# KiCad board OpenMowerMainboard.kicad_pcb
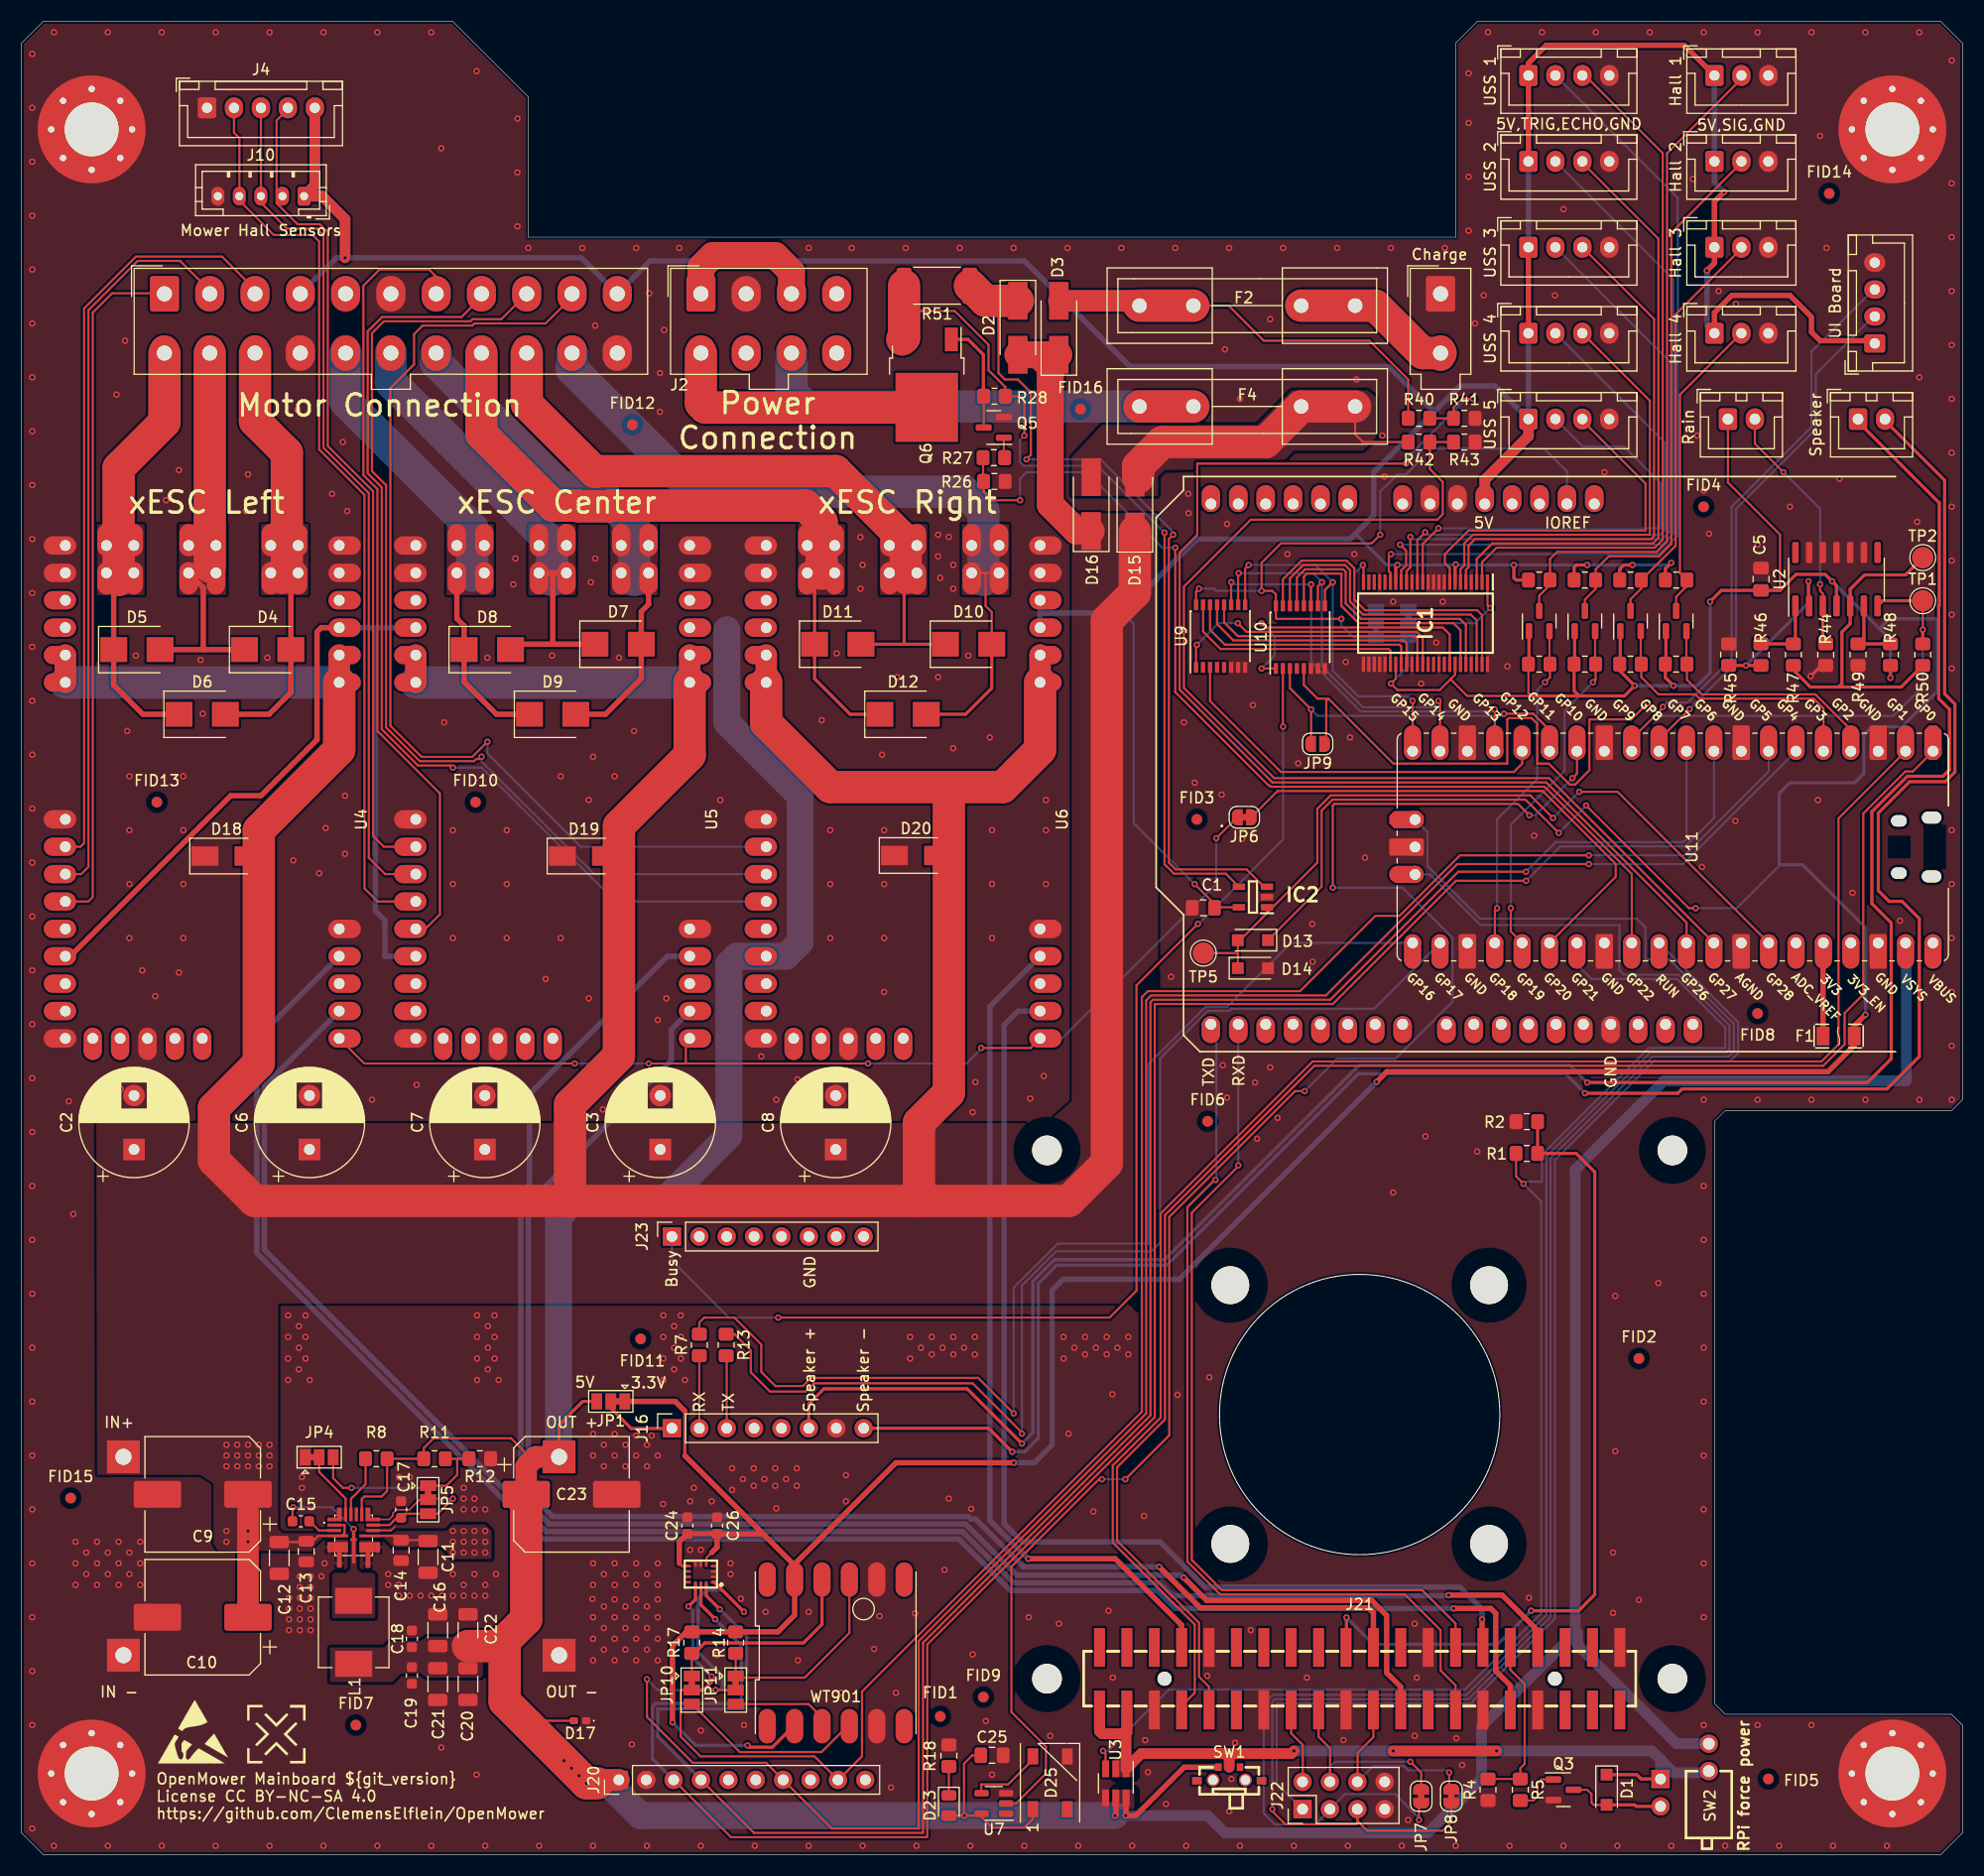
[diagram p0: board, top side]
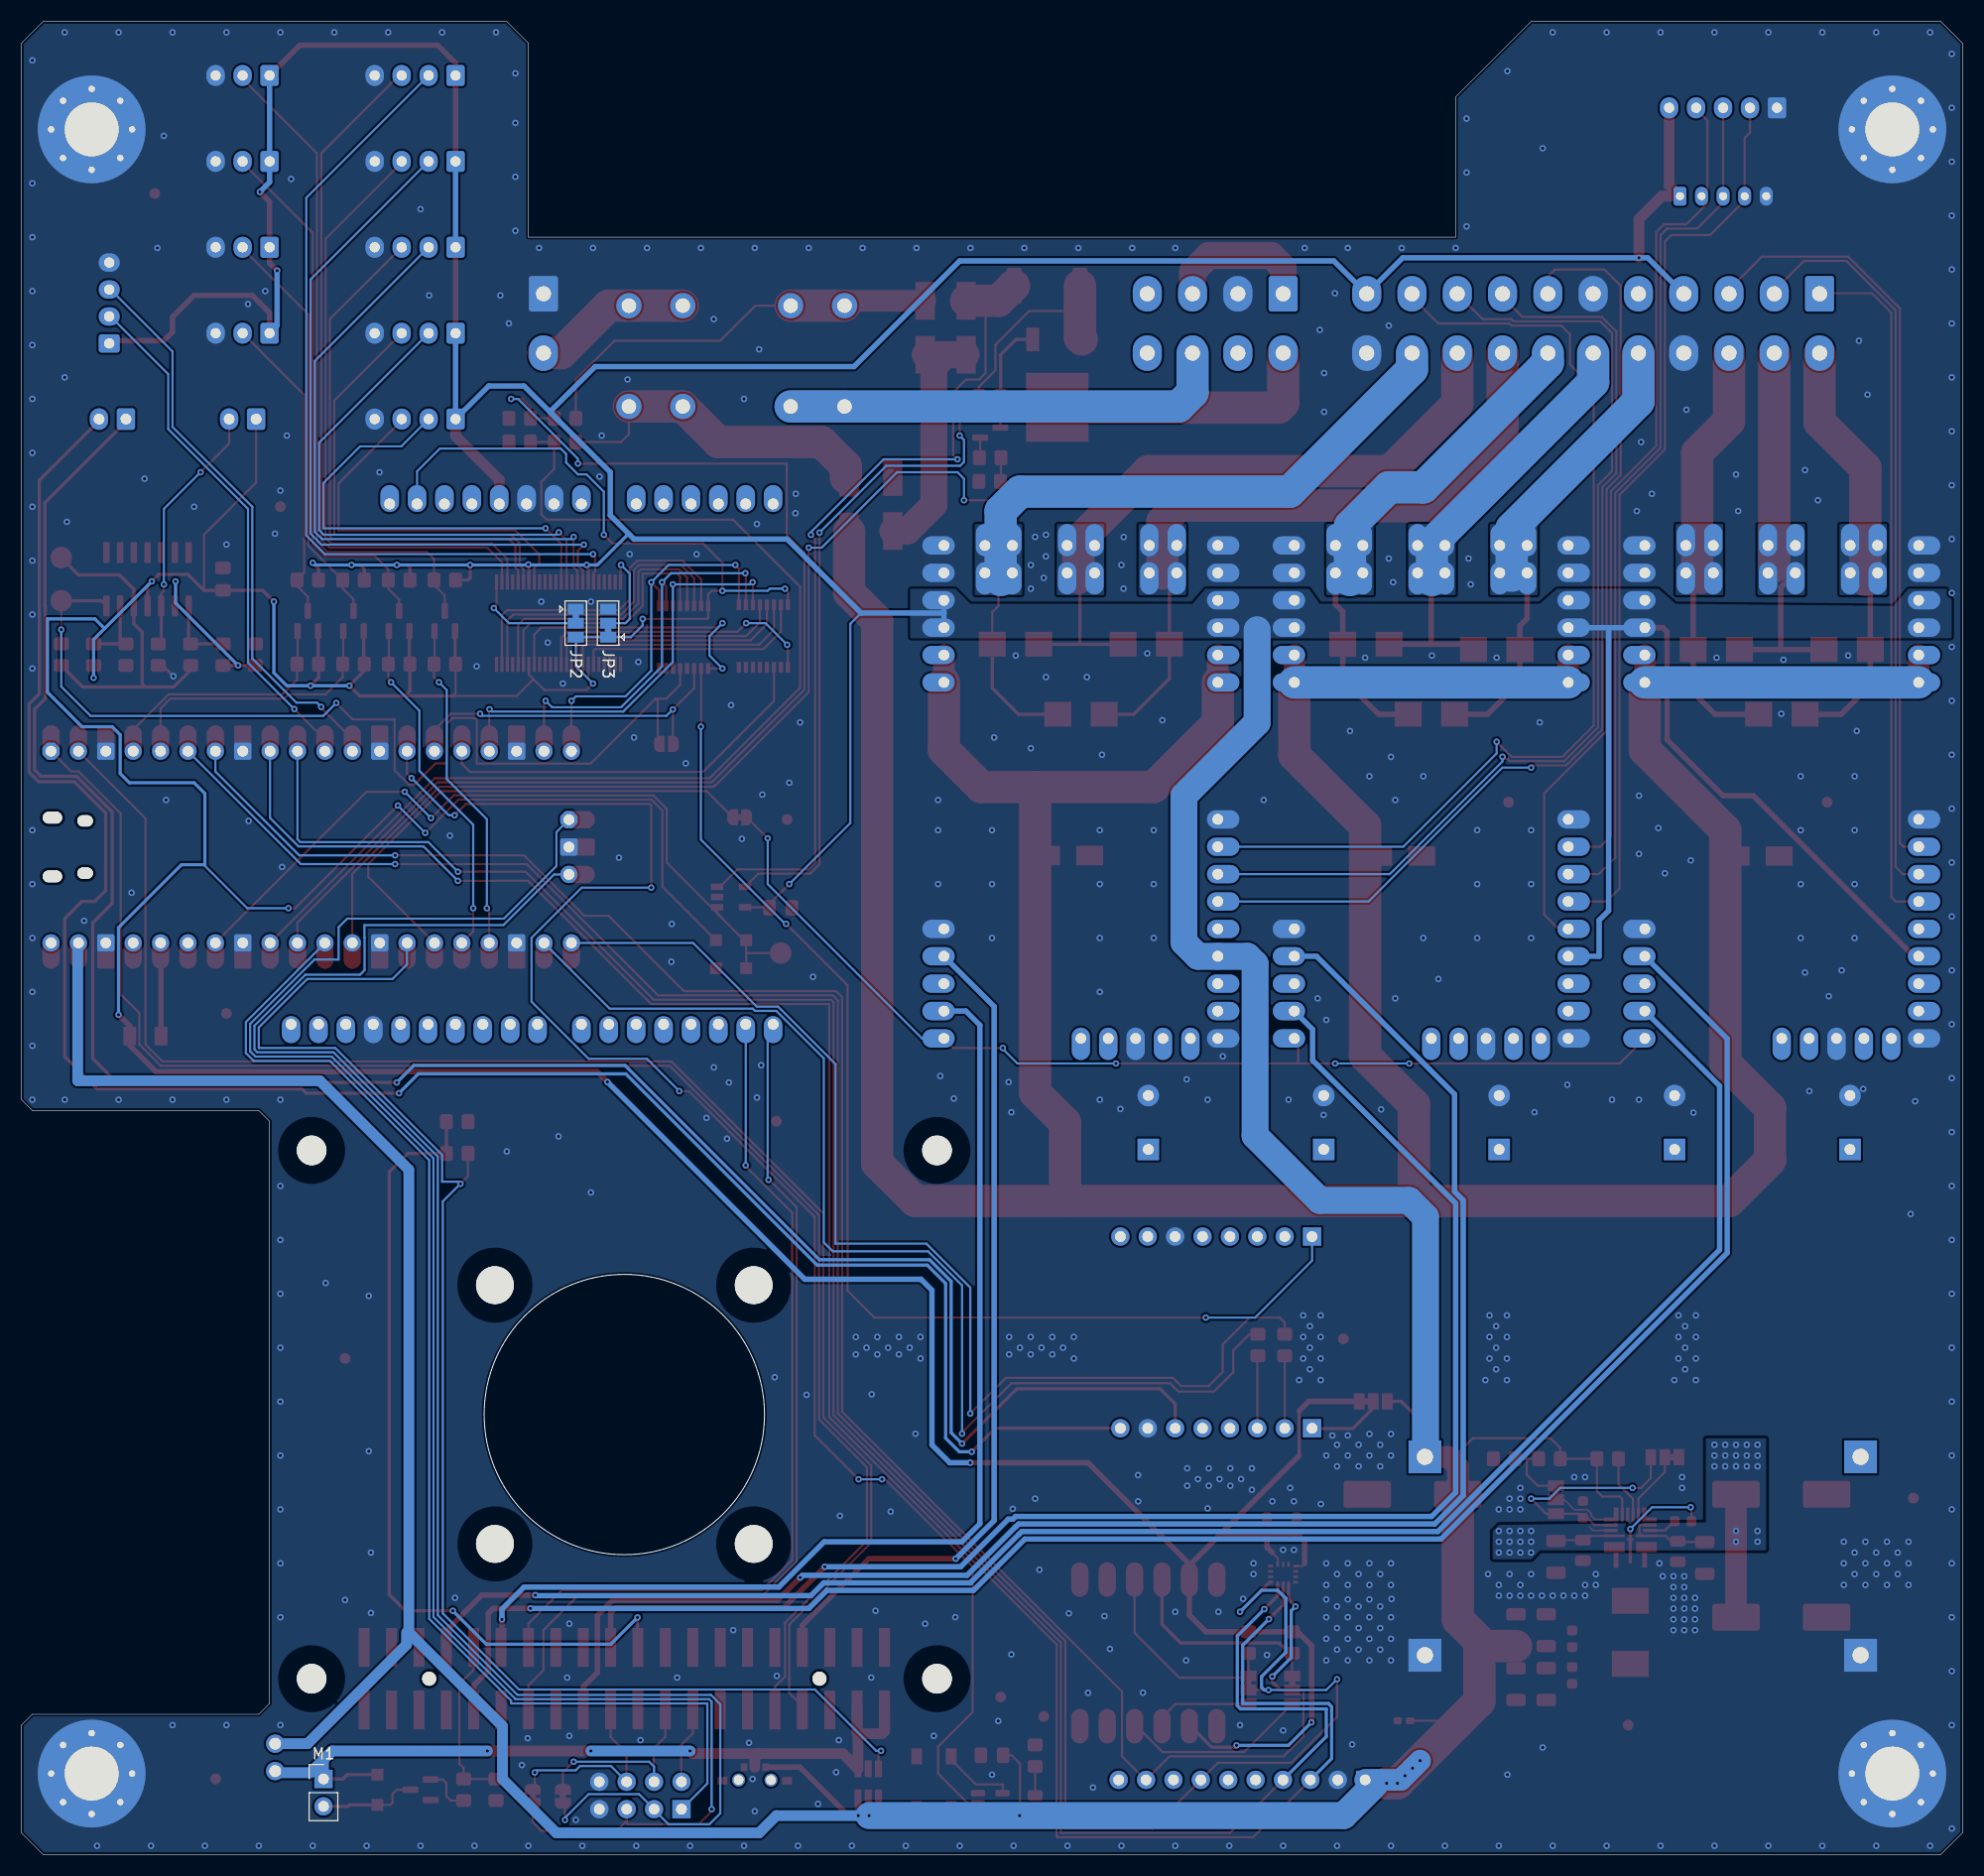
[diagram p1: board, bottom side, seen from below]

Outline 180 x 170 mm; copper layers: Top, Bottom. Coordinates in mm from the lower left corner of the outline.
Outline path: circle c124.1,40.8 r13 ; 0,168 2,170 40,170 47,163 47,150 133,150 133,168 135,170 178,170 180,168 180,70 179,69 158,69 157,68 157,14 158,13 179,13 180,12 180,2 178,0 2,0 0,2 0,168
Stack: Top 0.035mm / dielectric 1.51mm FR4 er 4.5 / Bottom 0.035mm

## Placement (name value [footprint] x y rotation side)
AC1201  LSM6DSOTR  [LGA-14_2.5X3X0.86_]  63 26 180 top
C1  100nF  [C_0805_2012Metric_Pad1.18x1.45mm_HandSolder]  109.6 87.8 180 top
C2  220uF  [CP_Radial_D10.0mm_P5.00mm]  10.43 65.39 90 top
C3  220uF  [CP_Radial_D10.0mm_P5.00mm]  59.24 65.39 90 top
C5  100nF  [C_0805_2012Metric_Pad1.18x1.45mm_HandSolder]  161.32 118.28 270 top
C6  220uF  [CP_Radial_D10.0mm_P5.00mm]  26.7 65.39 90 top
C7  220uF  [CP_Radial_D10.0mm_P5.00mm]  42.97 65.39 90 top
C8  220uF  [CP_Radial_D10.0mm_P5.00mm]  75.5 65.39 90 top
C9  680uF  [CP_Elec_10x12.5]  16.8 33.4 180 top
C10  DNP  [CP_Elec_10x12.5]  16.8 22 180 top
C11  4.7uF  [C_1206_3216Metric]  37.7 27.6 270 top
C12  4.7uF  [C_1206_3216Metric]  23.9 27.5 270 top
C13  1uF  [C_0805_2012Metric]  26.4 28.1 270 top
C14  1uF  [C_0805_2012Metric]  35.2 28.2 270 top
C15  0.1uF  [C_0603_1608Metric]  25.9 30.9 180 top
C16  22uF  [C_1206_3216Metric]  38.6 20.8 90 top
C17  2.2uF  [C_0603_1608Metric]  35.2 32 90 top
C18  0.1uF  [C_0603_1608Metric]  36.2 20 90 top
C19  0.1uF  [C_0603_1608Metric]  36.2 16.6 270 top
C20  22uF  [C_1206_3216Metric]  41.4 15.8 270 top
C21  22uF  [C_1206_3216Metric]  38.6 15.8 270 top
C22  22uF  [C_1206_3216Metric]  41.4 20.8 90 top
C23  680uF  [CP_Elec_10x12.5]  51 33.4 0 top
C24  0.1uF  [C_0603_1608Metric]  61.75 30.5 90 top
C25  100nF  [C_0805_2012Metric_Pad1.18x1.45mm_HandSolder]  90 9.2 0 top
C26  0.1uF  [C_0603_1608Metric]  64.5 30.5 90 top
D1  D_Schottky  [D_SOD-123F]  147 6 270 top
D2  D_Schottky  [D_SMA_Handsoldering]  92.4 141.6 270 top
D3  D_Schottky  [D_SMA_Handsoldering]  96.2 141.6 90 top
D4  DNP  [D_SMB]  22.83 111.75 0 top
D5  DNP  [D_SMB]  10.7 111.75 0 top
D6  DNP  [D_SMB]  16.75 105.75 0 top
D7  DNP  [D_SMB]  55.33 112.25 0 top
D8  DNP  [D_SMB]  43.2 111.75 0 top
D9  DNP  [D_SMB]  49.25 105.75 0 top
D10  DNP  [D_SMB]  87.83 112.25 0 top
D11  DNP  [D_SMB]  75.69 112.25 0 top
D12  DNP  [D_SMB]  81.75 105.75 0 top
D13  DNP  [D_SOD-123F]  114.2 84.8 180 top
D14  DNP  [D_SOD-123F]  114.2 82.2 0 top
D15  D_Schottky  [D_SMA_Handsoldering]  103.25 125.2 90 top
D16  D_Schottky  [D_SMA_Handsoldering]  99.2 125.25 90 top
D17  DNP  [D_0402_1005Metric_Pad0.77x0.64mm_HandSolder]  51.8 12.4 180 top
D18  DNP  [D_SMA]  19 92.6 0 top
D19  DNP  [D_SMA]  52.15 92.6 0 top
D20  DNP  [D_SMA]  82.95 92.65 0 top
D23  LED  [LED_0805_2012Metric]  86 4.54 270 top
D25  WS2812B  [LED_WS2812B_PLCC4_5.0x5.0mm_P3.2mm]  95.39 6.65 90 top
F1  nSMD035-16V  [F1206]  168.52 75.9 0 top
F2  Fuse  [Fuseholder5x20_horiz_open_inline_Type-I]  103.67 143.65 0 top
F4  Fuse  [Fuseholder5x20_horiz_open_inline_Type-I]  103.67 134.3 0 top
FID1  Fiducial  [Fiducial_1mm_Mask2mm]  85.2 12.8 0 top
FID2  Fiducial  [Fiducial_1mm_Mask2mm]  150 46 0 top
FID3  Fiducial  [Fiducial_1mm_Mask2mm]  109 96 0 top
FID4  Fiducial  [Fiducial_1mm_Mask2mm]  156 125 0 top
FID5  Fiducial  [Fiducial_1mm_Mask2mm]  162 7 0 top
FID6  Fiducial  [Fiducial_1mm_Mask2mm]  110 68 0 top
FID7  Fiducial  [Fiducial_1mm_Mask2mm]  31 12 0 top
FID8  Fiducial  [Fiducial_1mm_Mask2mm]  161 78 180 top
FID9  Fiducial  [Fiducial_1mm_Mask2mm]  89.2 14.6 0 top
FID10  Fiducial  [Fiducial_1mm_Mask2mm]  42.1 97.6 0 top
FID11  Fiducial  [Fiducial_1mm_Mask2mm]  57.41 47.82 0 top
FID12  Fiducial  [Fiducial_1mm_Mask2mm]  56.65 132.6 0 top
FID13  Fiducial  [Fiducial_1mm_Mask2mm]  12.55 97.6 0 top
FID14  Fiducial  [Fiducial_1mm_Mask2mm]  167.65 154.05 0 top
FID15  Fiducial  [Fiducial_1mm_Mask2mm]  4.55 33.05 0 top
FID16  Fiducial  [Fiducial_1mm_Mask2mm]  98.2 134.05 0 top
H1  MountingHole_Pad  [MountingHole_5mm_Pad_Via]  6.5 160 0 top
H2  MountingHole_Pad  [MountingHole_5mm_Pad_Via]  6.5 7.5 0 top
H3  MountingHole_Pad  [MountingHole_5mm_Pad_Via]  173.5 160 0 top
H4  MountingHole_Pad  [MountingHole_5mm_Pad_Via]  173.5 7.5 0 top
IC1  74ALVC164245DGG,11  [SOP50P810X120-48N]  130.2 114.2 270 top
IC2  TSC101CILT  [SOT95P280X145-5N]  114.2 88.8 180 top
IC3  MAX20405AFOF_VY+T  [MAX2040]  30.8 29.6 0 top
J1  Conn_02x11_Top_Bottom  [Molex_Mini-Fit_Jr_5566-22A_2x11_P4.20mm_Vertical]  13.25 144.75 0 top
J2  Conn_02x04_Top_Bottom  [Molex_Mini-Fit_Jr_5566-08A_2x04_P4.20mm_Vertical]  63 144.75 0 top
J3  Conn_01x02  [Molex_Mini-Fit_Jr_5566-02A_2x01_P4.20mm_Vertical]  131.6 144.75 0 top
J4  Conn_01x05  [JST_XH_B5B-XH-A_1x05_P2.50mm_Vertical]  17.2 162 0 top
J5  Conn_01x04  [JST_XH_B4B-XH-A_1x04_P2.50mm_Vertical]  139.75 165 0 top
J6  Conn_01x04  [JST_XH_B4B-XH-A_1x04_P2.50mm_Vertical]  139.75 157.03 0 top
J7  Conn_01x04  [JST_XH_B4B-XH-A_1x04_P2.50mm_Vertical]  139.75 149.06 0 top
J8  Conn_01x04  [JST_XH_B4B-XH-A_1x04_P2.50mm_Vertical]  139.75 141.1 0 top
J9  Conn_01x04  [JST_XH_B4B-XH-A_1x04_P2.50mm_Vertical]  139.75 133.13 0 top
J10  Conn_01x05  [JST_PH_B5B-PH-K_1x05_P2.00mm_Vertical]  26.2 153.81 180 top
J11  Conn_01x03_Male  [JST_XH_B3B-XH-A_1x03_P2.50mm_Vertical]  157 165 0 top
J12  Conn_01x03_Male  [JST_XH_B3B-XH-A_1x03_P2.50mm_Vertical]  157 157.03 0 top
J13  Conn_01x03_Male  [JST_XH_B3B-XH-A_1x03_P2.50mm_Vertical]  157 149.06 0 top
J14  Conn_01x03_Male  [JST_XH_B3B-XH-A_1x03_P2.50mm_Vertical]  157 141.1 0 top
J16  Conn_01x08  [PinSocket_1x08_P2.54mm_Vertical]  60.31 39.53 90 top
J17  Conn_01x02  [JST_XH_B2B-XH-A_1x02_P2.50mm_Vertical]  158.25 133.13 0 top
J18  Conn_01x02  [JST_XH_B2B-XH-A_1x02_P2.50mm_Vertical]  170.32 133.13 0 top
J19  Conn_01x04  [JST_XH_B4B-XH-A_1x04_P2.50mm_Vertical]  171.87 140.15 90 top
J20  Conn_01x10_Female  [PinHeader_1x10_P2.54mm_Vertical]  55.39 6.92 90 top
J21  Raspberry_Pi_2_3  [HDR-SMD_40P-P2.54-V-F-R2-C20-S8.8-EH]  124.1 16.3 0 top
J22  Conn_02x04_Odd_Even  [PinHeader_2x04_P2.54mm_Vertical]  118.8 4.2 90 top
J23  Conn_01x08  [PinSocket_1x08_P2.54mm_Vertical]  60.31 57.31 90 top
JP1  SolderJumper_3_Bridged12  [SolderJumper-3_P1.3mm_Bridged12_Pad1.0x1.5mm]  54.65 42.02 180 top
JP2  SolderJumper_3_Bridged12  [SolderJumper-3_P1.3mm_Bridged12_Pad1.0x1.5mm]  128.6 114.2 270 bottom
JP3  SolderJumper_3_Bridged12  [SolderJumper-3_P1.3mm_Bridged12_Pad1.0x1.5mm]  125.6 114.2 90 bottom
JP4  SolderJumper_3_Bridged12  [SolderJumper-3_P1.3mm_Bridged12_Pad1.0x1.5mm]  27.6 36.84 0 top
JP5  SolderJumper_3_Bridged12  [SolderJumper-3_P1.3mm_Bridged12_Pad1.0x1.5mm]  37.7 32.9 270 top
JP6  SolderJumper_2_Bridged  [SolderJumper-2_P1.3mm_Bridged_RoundedPad1.0x1.5mm]  113.4 96.2 180 top
JP7  SolderJumper_2_Bridged  [SolderJumper-2_P1.3mm_Bridged_RoundedPad1.0x1.5mm]  129.8 5.4 90 top
JP8  SolderJumper_2_Bridged  [SolderJumper-2_P1.3mm_Bridged_RoundedPad1.0x1.5mm]  132.6 5.4 90 top
JP9  SolderJumper_2_Open  [SolderJumper-2_P1.3mm_Open_RoundedPad1.0x1.5mm]  120.2 103 180 top
JP10  I2C_OR_TTL  [SolderJumper-3_P1.3mm_Bridged12_Pad1.0x1.5mm]  62.16 15.25 270 top
JP11  I2C_OR_TTL  [SolderJumper-3_P1.3mm_Bridged12_Pad1.0x1.5mm]  66.23 15.25 270 top
L1  4.7uH 5A  [L_Vishay_IHLP-2525]  30.8 20.6 270 top
LOGO1  LOGO  [ESD-Logo_6.6x6mm_SilkScreen]  23.6 11.1 180 top
LOGO2  -  [ESD-Logo_6.6x6mm_SilkScreen]  15.9 11.4 0 top
M1  Fan  [PinHeader_1x02_P2.54mm_Vertical]  152 7 180 bottom
MH1  -  [MountingHole_2.7mm_M2.5#2]  153.1 16.3 270 top
MH2  -  [MountingHole_2.7mm_M2.5#2]  95.1 16.3 270 top
MH3  -  [MountingHole_2.7mm_M2.5#2]  95.1 65.3 270 top
MH4  -  [MountingHole_2.7mm_M2.5#2]  153.1 65.3 270 top
MH5  -  [MountingHole_2.7mm_M2.5]  136.1 28.8 270 top
MH6  -  [MountingHole_2.7mm_M2.5]  112.1 28.8 270 top
MH7  -  [MountingHole_2.7mm_M2.5]  112.1 52.8 270 top
MH8  -  [MountingHole_2.7mm_M2.5]  136.1 52.8 270 top
Q3  BSS138  [SOT-23]  143 6 0 top
Q5  BSS138  [SOT-23]  90.16 132.35 180 top
Q6  Q_PMOS_GDS  [TO-252-2]  83.95 136.32 270 top
Q13  BSS138  [SOT-23]  140.75 114.4 90 top
Q14  BSS138  [SOT-23]  144.98 114.4 90 top
Q15  BSS138  [SOT-23]  149.22 114.4 90 top
Q16  BSS138  [SOT-23]  153.45 114.4 90 top
R1  10k  [R_0805_2012Metric_Pad1.20x1.40mm_HandSolder]  139.6 65.02 0 top
R2  10k  [R_0805_2012Metric_Pad1.20x1.40mm_HandSolder]  139.6 67.97 0 top
R3  1k  [R_0805_2012Metric_Pad1.20x1.40mm_HandSolder]  140.75 110.4 0 top
R4  10k  [R_0805_2012Metric_Pad1.20x1.40mm_HandSolder]  136 6 90 top
R5  150  [R_0805_2012Metric_Pad1.20x1.40mm_HandSolder]  139 6 270 top
R6  1k  [R_0805_2012Metric_Pad1.20x1.40mm_HandSolder]  140.75 118.2 0 top
R7  1k  [R_0805_2012Metric_Pad1.20x1.40mm_HandSolder]  62.85 47.25 90 top
R8  DNP  [R_0805_2012Metric_Pad1.20x1.40mm_HandSolder]  32.9 36.7 0 top
R9  1k  [R_0805_2012Metric_Pad1.20x1.40mm_HandSolder]  144.98 110.4 0 top
R10  1k  [R_0805_2012Metric_Pad1.20x1.40mm_HandSolder]  144.98 118.2 0 top
R11  53k6 1%  [R_0805_2012Metric_Pad1.20x1.40mm_HandSolder]  38.3 36.7 180 top
R12  10k  [R_0805_2012Metric_Pad1.20x1.40mm_HandSolder]  42.5 36.7 180 top
R13  1k  [R_0805_2012Metric_Pad1.20x1.40mm_HandSolder]  65.34 47.25 270 top
R14  4k7  [R_0805_2012Metric_Pad1.20x1.40mm_HandSolder]  66.22 19.65 90 top
R15  1k  [R_0805_2012Metric_Pad1.20x1.40mm_HandSolder]  149.22 110.4 0 top
R16  1k  [R_0805_2012Metric_Pad1.20x1.40mm_HandSolder]  149.22 118.2 0 top
R17  4k7  [R_0805_2012Metric_Pad1.20x1.40mm_HandSolder]  62.16 19.65 90 top
R18  1k  [R_0805_2012Metric_Pad1.20x1.40mm_HandSolder]  86 9.16 270 top
R19  1k  [R_0805_2012Metric_Pad1.20x1.40mm_HandSolder]  153.45 110.4 0 top
R20  1k  [R_0805_2012Metric_Pad1.20x1.40mm_HandSolder]  153.45 118.2 0 top
R26  10k  [R_0805_2012Metric_Pad1.20x1.40mm_HandSolder]  90.22 127.35 0 top
R27  150  [R_0805_2012Metric_Pad1.20x1.40mm_HandSolder]  90.17 129.55 0 top
R28  10k  [R_0805_2012Metric_Pad1.20x1.40mm_HandSolder]  90.23 135.25 180 top
R40  10k  [R_0805_2012Metric_Pad1.20x1.40mm_HandSolder]  129.6 133.2 180 top
R41  1k  [R_0805_2012Metric_Pad1.20x1.40mm_HandSolder]  133.8 133.2 180 top
R42  10k  [R_0805_2012Metric_Pad1.20x1.40mm_HandSolder]  129.6 131 180 top
R43  1k  [R_0805_2012Metric_Pad1.20x1.40mm_HandSolder]  133.8 131 180 top
R44  47k  [R_0805_2012Metric_Pad1.20x1.40mm_HandSolder]  167.32 111.28 90 top
R45  1k  [R_0805_2012Metric_Pad1.20x1.40mm_HandSolder]  158.32 111.28 270 top
R46  47k  [R_0805_2012Metric_Pad1.20x1.40mm_HandSolder]  161.32 111.28 270 top
R47  1k  [R_0805_2012Metric_Pad1.20x1.40mm_HandSolder]  164.32 111.28 270 top
R48  10k  [R_0805_2012Metric_Pad1.20x1.40mm_HandSolder]  173.32 111.28 270 top
R49  4k7  [R_0805_2012Metric_Pad1.20x1.40mm_HandSolder]  170.32 111.28 270 top
R50  10k  [R_0805_2012Metric_Pad1.20x1.40mm_HandSolder]  176.32 111.28 90 top
R51  0.003R  [R_2512_6332Metric_Pad1.40x3.35mm_HandSolder]  84.9 145.5 180 top
SW1  MK-11C04-G013  [SW-SMD_MK-11C04-G013]  112 7.46 0 top
SW2  DA-01BP  [SW-TH_DA-01BP]  156.48 9 90 top
TP1  TestPoint  [TestPoint_Pad_D2.0mm]  176.32 116.28 0 top
TP2  TestPoint  [TestPoint_Pad_D2.0mm]  176.32 120.28 0 top
TP5  TestPoint  [TestPoint_Pad_D2.0mm]  109.6 83.6 0 top
U1  DNP  [LM2596S_MODULE]  8.05 17.08 0 top
U2  MCP604  [SOIC-14_3.9x8.7mm_P1.27mm]  168.32 118.28 90 top
U3  SIP32509DT  [SOT-23-6_Handsoldering]  101.48 6.59 270 top
U4  -  [xESC2]  32 96 90 top
U5  -  [xESC2]  64.5 96 90 top
U6  -  [xESC2]  97 96 90 top
U7  SN74LV1T34DBV  [SOT-23-5]  90.17 4.73 180 top
U9  74HC4051  [SSOP-16_4.4x5.2mm_P0.65mm]  111.2 113 90 top
U10  74HC4051  [SSOP-16_4.4x5.2mm_P0.65mm]  118.6 112.9 90 top
U11  Pico  [Raspberry_Pi_Pico_SMT_THT]  177.27 102.33 270 top
WT901  Conn_02x06_Female  [WT901]  75.5 18.7 0 top
XA1  -  [Arduino_Uno_Shield]  173.8 127.8 180 top

## Library data of the parts
AC1201 = -: Description: IMUs - Inertial Measurement Units iNEMO inertial module: 3D accelerometer and 3D gyroscope; Digikey: 497-18181-1-ND; LCSC: C2655100; Mouser: 511-LSM6DSOTR
C1 C5 C25 = -: Description: Unpolarized capacitor; Digikey: 490-4789-1-ND; LCSC: C85866; Part Number: GCM21BR72A104KA37L; Stock_PN: C-805-.1uF-100V-X7R
C2 C7 C8 = -: Description: Polarized capacitor; Digikey: 399-6654-1-ND; LCSC: C442941; Part Number: LKME1251J221MF; Stock_PN: CP-TH-220uF-63V
C3 C6 = -: Description: Polarized capacitor; Config: do not place; Digikey: 399-6654-1-ND; LCSC: C442941; Part Number: LKME1251J221MF; Stock_PN: CP-TH-220uF-63V
C9 C23 = -: Description: Polarized capacitor; Digikey: P124828TR-ND; LCSC: C2980172; Part Number: GVM1V681M1010; Stock_PN: CP-SMD-680uF-35V
C10 = -: Description: Polarized capacitor; Config: do not place; DNP: Y; LCSC: C882153
C11 C12 = -: Description: Unpolarized capacitor; Digikey: 1276-3179-1-ND; LCSC: C77096; Part Number: CL31B475KBHNFNE; Stock_PN: C-1206-4.7uF-50V-X7R
C13 C14 = -: Description: Unpolarized capacitor; Digikey: 1276-1029-1-ND; LCSC: C28323; Part Number: CL21B105KBFNNNE; Stock_PN: C-805-1uF-50V-X7R
C15 C18 C19 C24 C26 = -: Description: Unpolarized capacitor; Digikey: 1276-1935-1-ND; LCSC: C15725; Part Number: CL10B104KC8NNNC; Stock_PN: C-603-.1uF-100V-X7R
C16 C20-C22 = -: Description: Unpolarized capacitor; Digikey: 1276-3148-1-ND; LCSC: C87996; Part Number: CL31B226MPHNNNE; Stock_PN: C-1206-22uF-10V-X7R
C17 = -: Description: Unpolarized capacitor; Digikey: 1276-1183-1-ND; LCSC: C71000; Part Number: CL10A225KQ8NNNC; Stock_PN: C-603-2.2uF-6.3V-X5R
D1 = -: Description: Schottky diode; Digikey: 3757-SS0520_R1_00001CT-ND; LCSC: C541613; Part Number: AS160-M; Stock_PN: D-AS160-M
D2 D3 D15 D16 = -: Description: Schottky diode; Digikey: 3757-SB54AFC_R1_00001CT-ND; LCSC: C113939; Part Number: SB54AFC_R1_00001; Stock_PN: D-SMA-Schottky-40V-5A
D4-D12 D17-D20 = -: Description: Bidirectional transient-voltage-suppression diode; Config: do not place; DNP: Y
D13 = -: Description: Schottky diode; Config: do not place; DNP: Y
D14 = -: Description: Zener diode; Config: do not place; DNP: Y
D23 = -: Description: Light emitting diode; Digikey: L62505CT-ND; LCSC: C84257; Part Number: CMD17-21VGD/TR8; Stock_PN: LED-805-GREEN
D25 = -: Description: RGB LED with integrated controller; Digikey: 1568-COM-16347CT-ND; LCSC: C114586; Part Number: COM-16347; Stock_PN: LED-WS2812B
F1 = -: LCSC Part: C70072
F2 F4 = -: LCSC: C3117; Part Number: https://aliexpress.com/item/4000318714025.html; Stock_PN: FH-FC-202-24
FID1-FID16 = -: Description: Fiducial Marker; Config: do not place; DNP: Y
H1-H4 = -: Description: Mounting Hole with connection; Config: do not place; DNP: Y
IC1 = -: Description: 74ALVC164245 - 16-bit dual supply translating transceiver; 3-state@en-us; Digikey: 1727-4290-1-ND; Height: 1.2; LCSC: C5531; Manufacturer_Name: Nexperia; Part Number: 74ALVC164245DGG:11; Stock_PN: U-74ALVC164245
IC2 = -: Description: TSC101CILT, Current Sensing Amplifier Single 5-Pin SOT-23; Digikey: 497-6947-1-ND; Height: 1.45; LCSC: C222387; Manufacturer_Name: STMicroelectronics; Stock_PN: U-TSC101CILT
IC3 = -: Description: 36V 4A/5A/6A Sync Low Iq Buck Converter in P90; Digikey: 175-MAX20405AFOD/VY+-ND; Height: 0.8; Manufacturer_Name: Maxim Integrated; Manufacturer_Part_Number: MAX20405AFOF/VY+T; Part Number: MAX20405AFOD/VY+; Stock_PN: U-MAX20405
J1 = -: Description: Generic connector, double row, 02x11, top/bottom pin numbering scheme (row 1: 1...pins_per_row, row2: pins_per_row+1 ... num_pins), script generated (kicad-library-utils/schlib/autogen/connector/); Digikey: WM23810-ND; Part Number: 0039288220; Stock_PN: J-TH-4.2mm-2x11F
J2 = -: Description: Generic connector, double row, 02x04, top/bottom pin numbering scheme (row 1: 1...pins_per_row, row2: pins_per_row+1 ... num_pins), script generated (kicad-library-utils/schlib/autogen/connector/); Digikey: 23-0039310080-ND; LCSC: C2764796; Part Number: 0039310080; Stock_PN: J-TH-4.2mm-2x4F
J3 = -: Description: Generic connector, single row, 01x02, script generated (kicad-library-utils/schlib/autogen/connector/); Digikey: WM3843-ND; LCSC: C563782; Part Number: 0039293026; Stock_PN: J-TH-4.2mm-1x2F
J4 = -: Description: Generic connector, single row, 01x05, script generated (kicad-library-utils/schlib/autogen/connector/); Digikey: 455-2270-ND; LCSC: C157991; Part Number: B5B-XH-A(LF)(SN); Stock_PN: J-JST-XH-1x5
J5-J9 J19 = -: Description: Generic connector, single row, 01x04, script generated (kicad-library-utils/schlib/autogen/connector/); Digikey: 455-2249-ND; LCSC: C144395; Part Number: B4B-XH-A(LF)(SN); Stock_PN: J-JST-XH-1x4
J10 = -: Description: Generic connector, single row, 01x05, script generated (kicad-library-utils/schlib/autogen/connector/); LCSC: C442247; Stock_PN: J-JST-PH-1x5
J11-J14 = -: Description: Generic connector, single row, 01x03, script generated (kicad-library-utils/schlib/autogen/connector/); Digikey: 455-2231-ND; LCSC: C161870; Part Number: B3B-XH-AM(LF)(SN); Stock_PN: J-JST-XH-1x3
J16 J23 = -: Description: Generic connector, single row, 01x08, script generated (kicad-library-utils/schlib/autogen/connector/); Config: do not place; LCSC: C2935914; Part Number: DZ254R-11-08-63; Stock_PN: J-TH-1x8-.1
J17 J18 = -: Description: Generic connector, single row, 01x02, script generated (kicad-library-utils/schlib/autogen/connector/); Digikey: 455-2946-ND; LCSC: C2910525; Part Number: B2B-XH-A-GU; Stock_PN: J-JST-XH-1x2
J20 = -: Description: Generic connector, single row, 01x10, script generated (kicad-library-utils/schlib/autogen/connector/); Config: do not place; LCSC: C2894933; Part Number: PZ254-1-10-Z-8.5; Stock_PN: J-TH-1x10-.1
J21 = -: Description: expansion header for Raspberry Pi 2 & 3; Digikey: S5729-ND; LCSC: C2685119; Part Number: NPPC202KFMS-RC; Stock_PN: J-SMD-2x20-.1F
J22 = -: Description: Generic connector, double row, 02x04, odd/even pin numbering scheme (row 1 odd numbers, row 2 even numbers), script generated (kicad-library-utils/schlib/autogen/connector/); LCSC: C2894965; Part Number: PZ254-2-04-Z-8.5; Stock_PN: J-TH-2x4-.1
JP1-JP5 = -: Description: 3-pole Solder Jumper, pins 1+2 closed/bridged; Config: do not place; DNP: Y
JP6 = -: Description: Solder Jumper, 2-pole, closed/bridged; Config: do not place; DNP: Y
JP7 JP8 = -: Description: Solder Jumper, 2-pole, closed/bridged
JP9 = -: Description: Solder Jumper, 2-pole, open
JP10 JP11 = -: Description: 3-pole Solder Jumper, pins 1+2 closed/bridged
L1 = -: Description: Inductor; Digikey: 732-3354-1-ND; Part Number: 74437349047; Stock_PN: L-2525-47uH-5A
M1 = -: LCSC: C2935908; Part Number: DZ254R-11-02-63; Stock_PN: J-TH-1x2-.1
Q3 Q5 Q13-Q16 = -: Description: 50V Vds, 0.22A Id, N-Channel MOSFET, SOT-23; Digikey: BSS138K-13DICT-ND; LCSC: C3040446; Part Number: AP2300; Stock_PN: Q-AP2300
Q6 = -: Description: P-MOSFET transistor, gate/drain/source; Digikey: IRFR5505PBFCT-ND; LCSC: C26340; Part Number: IRFR5505TRPBF; Stock_PN: Q-IRFR5505TRPBF
R1 R2 R4 R12 R26 R28 R40 R42 R48 R50 = -: Description: Resistor; Digikey: 738-RMCF0805FG10K0CT-ND; LCSC: C17414; Part Number: RMCF0805FG10K0; Stock_PN: R-805-10K-.125W-1%
R3 R6 R9 R10 R15 R16 R18-R20 R41 R43 R45 R47 = -: Description: Resistor; Digikey: 311-1.00KCRCT-ND; LCSC: C95781; Part Number: RC0805FR-071KL; Stock_PN: R-805-1K-.125W-1%